# Altium PCB GEM_AFE_128.PcbDoc (part 2 of 18) (continued)
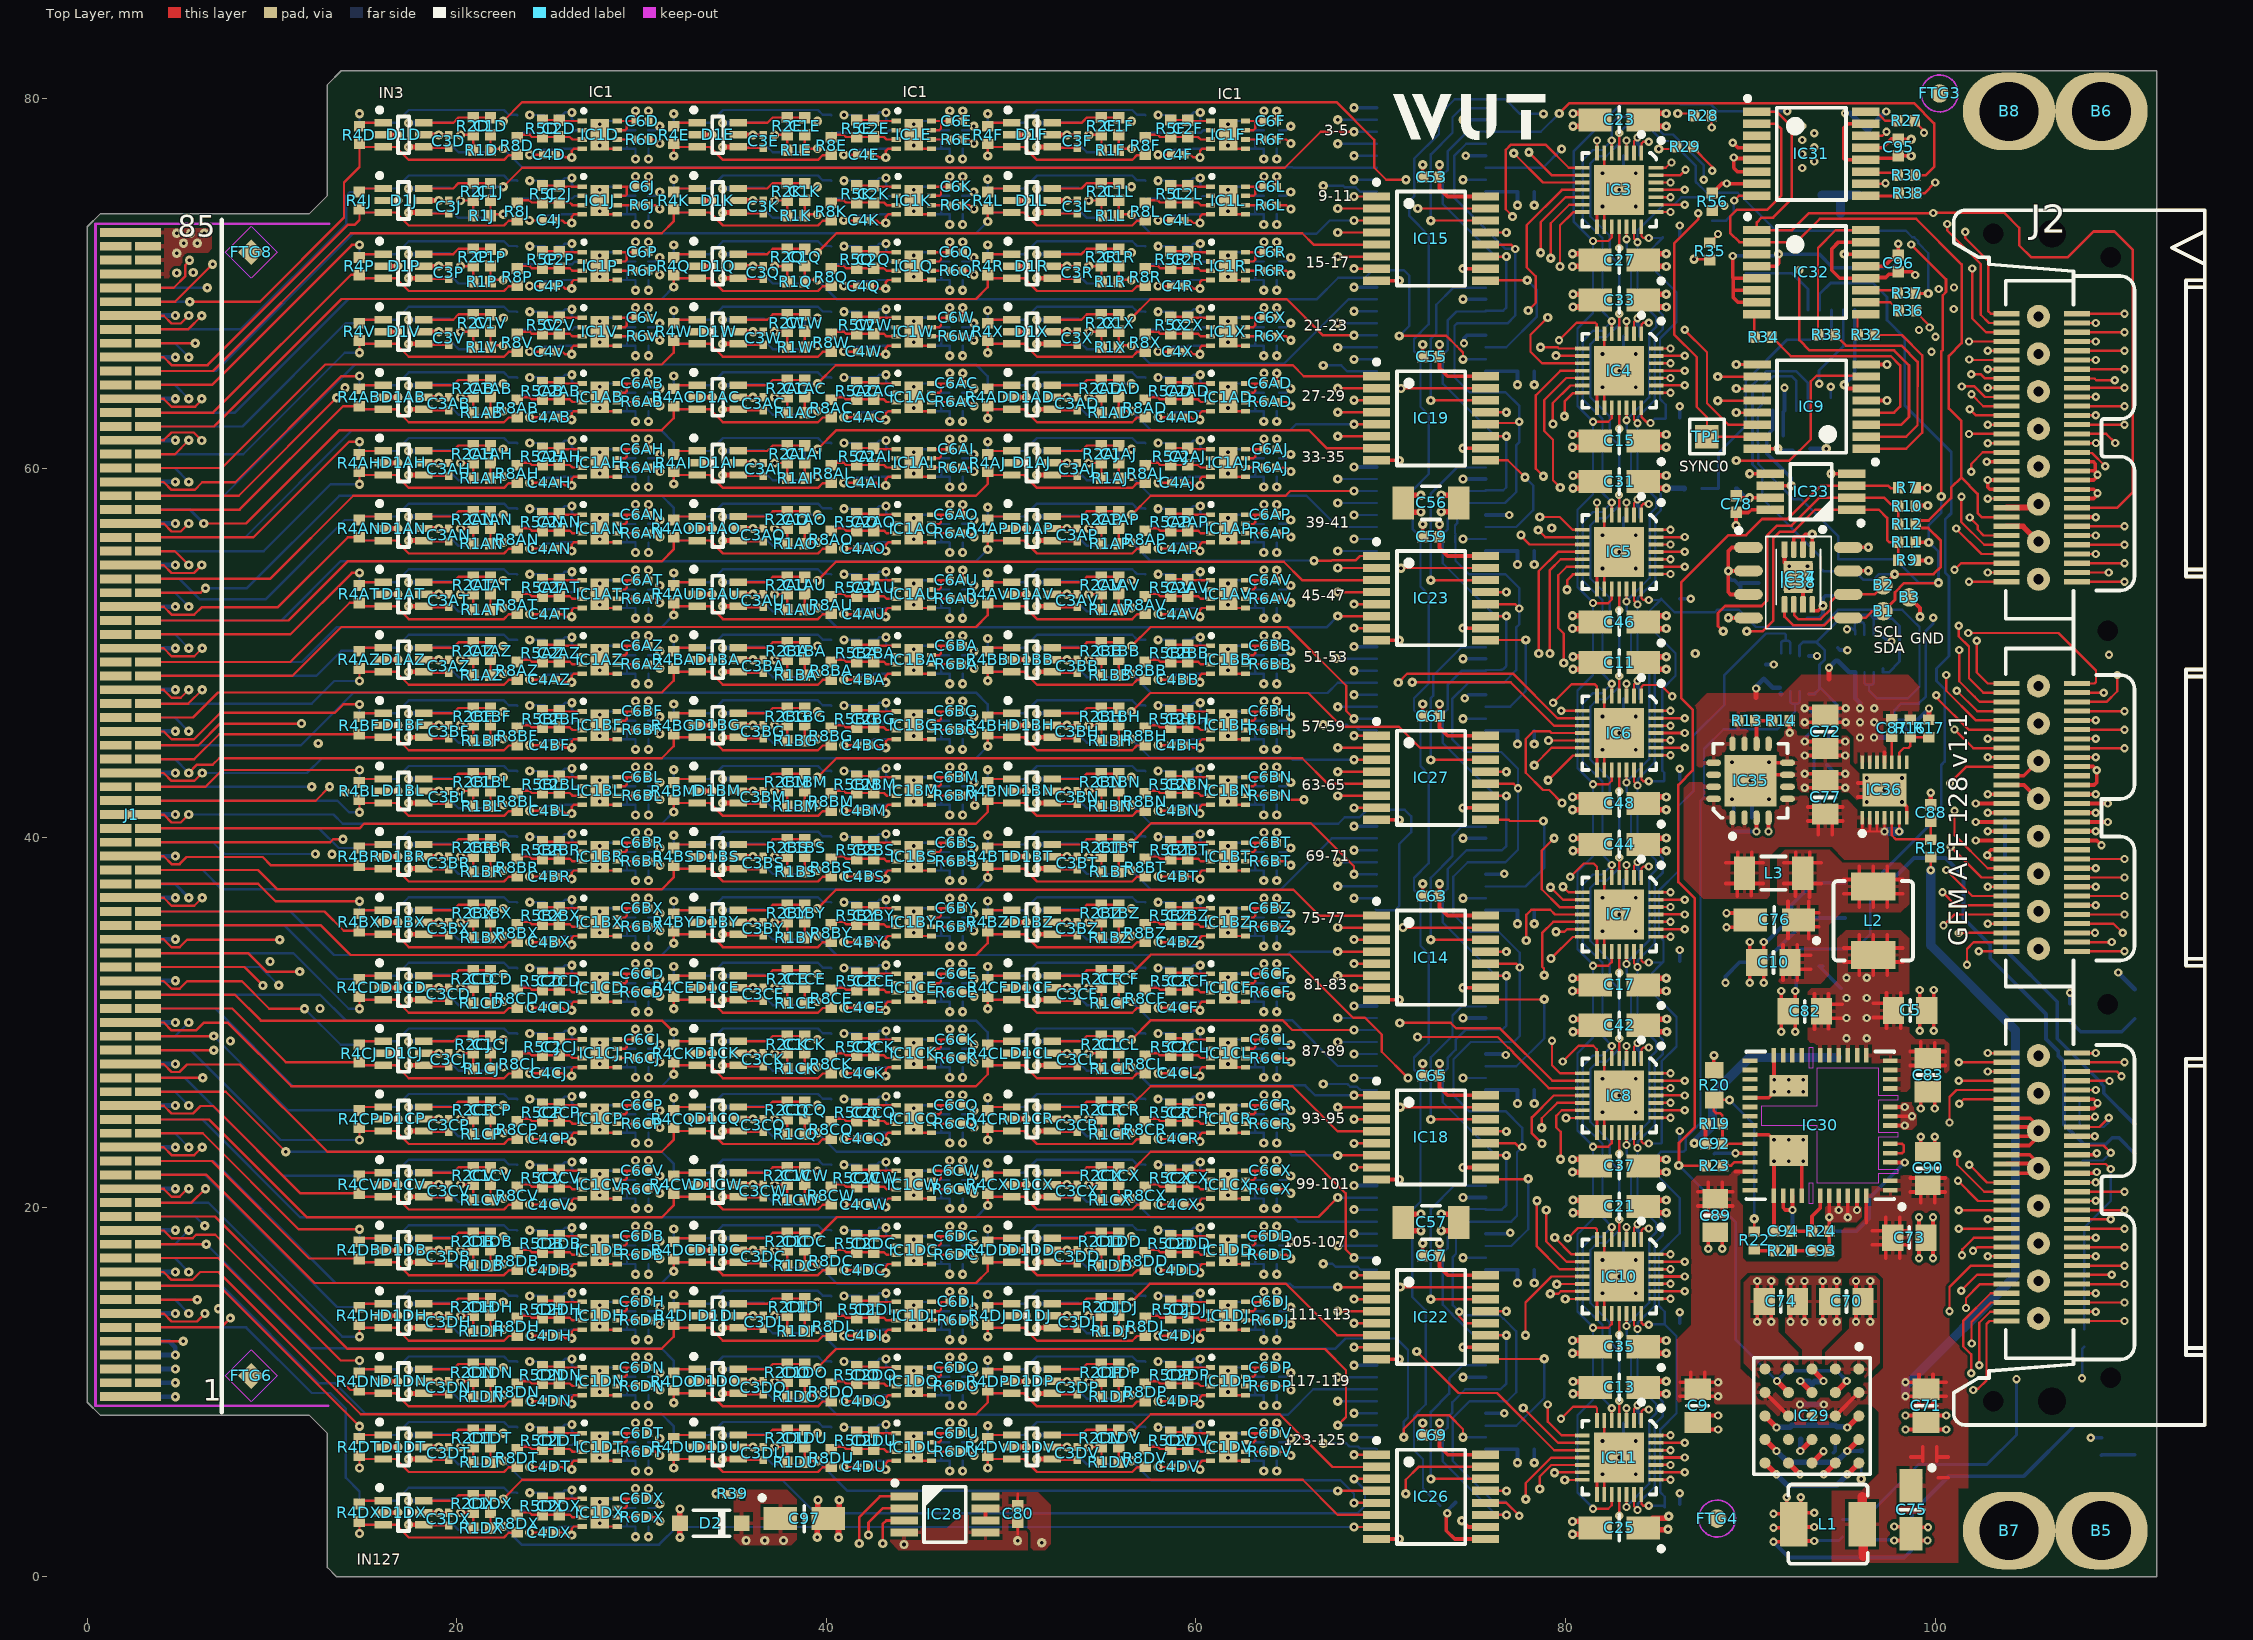
[diagram p0: Top Layer view]
## Components (designator, comment, footprint, x,y, rotation, side; value= is the part's Value field where it differs from the comment) (continued)
C2G "1pF" CAPC1005X55N 25.543,74.135 r270 bottom (schematic designator C2)
C2H "1pF" CAPC1005X55N 42.543,74.135 r270 bottom (schematic designator C2)
C2I "1pF" CAPC1005X55N 59.543,74.135 r270 bottom (schematic designator C2)
C2J "1pF" CAPC1005X55N 25.553,74.815 r90 top (schematic designator C2)
C2K "1pF" CAPC1005X55N 42.553,74.815 r90 top (schematic designator C2)
C2L "1pF" CAPC1005X55N 59.553,74.815 r90 top (schematic designator C2)
C2M "1pF" CAPC1005X55N 25.543,70.585 r270 bottom (schematic designator C2)
C2N "1pF" CAPC1005X55N 42.543,70.585 r270 bottom (schematic designator C2)
C2O "1pF" CAPC1005X55N 59.543,70.585 r270 bottom (schematic designator C2)
C2P "1pF" CAPC1005X55N 25.553,71.265 r90 top (schematic designator C2)
C2Q "1pF" CAPC1005X55N 42.553,71.265 r90 top (schematic designator C2)
C2R "1pF" CAPC1005X55N 59.553,71.265 r90 top (schematic designator C2)
C2S "1pF" CAPC1005X55N 25.543,67.035 r270 bottom (schematic designator C2)
C2T "1pF" CAPC1005X55N 42.543,67.035 r270 bottom (schematic designator C2)
C2U "1pF" CAPC1005X55N 59.543,67.035 r270 bottom (schematic designator C2)
C2V "1pF" CAPC1005X55N 25.553,67.715 r90 top (schematic designator C2)
C2W "1pF" CAPC1005X55N 42.553,67.715 r90 top (schematic designator C2)
C2X "1pF" CAPC1005X55N 59.553,67.715 r90 top (schematic designator C2)
C2Y "1pF" CAPC1005X55N 25.543,63.485 r270 bottom (schematic designator C2)
C2Z "1pF" CAPC1005X55N 42.543,63.485 r270 bottom (schematic designator C2)
C3A "100nF" CAPC0603X33N#1 19.575,78.375 r270 bottom (schematic designator C3)
C3AA "100nF" CAPC0603X33N#1 53.575,64.175 r270 bottom (schematic designator C3)
C3AB "100nF" CAPC0603X33N#1 19.575,63.475 r90 top (schematic designator C3)
C3AC "100nF" CAPC0603X33N#1 36.575,63.475 r90 top (schematic designator C3)
C3AD "100nF" CAPC0603X33N#1 53.575,63.475 r90 top (schematic designator C3)
C3AE "100nF" CAPC0603X33N#1 19.575,60.625 r270 bottom (schematic designator C3)
C3AF "100nF" CAPC0603X33N#1 36.575,60.625 r270 bottom (schematic designator C3)
C3AG "100nF" CAPC0603X33N#1 53.575,60.625 r270 bottom (schematic designator C3)
C3AH "100nF" CAPC0603X33N#1 19.575,59.925 r90 top (schematic designator C3)
C3AI "100nF" CAPC0603X33N#1 36.575,59.925 r90 top (schematic designator C3)
C3AJ "100nF" CAPC0603X33N#1 53.575,59.925 r90 top (schematic designator C3)
C3AK "100nF" CAPC0603X33N#1 19.575,57.075 r270 bottom (schematic designator C3)
C3AL "100nF" CAPC0603X33N#1 36.575,57.075 r270 bottom (schematic designator C3)
C3AM "100nF" CAPC0603X33N#1 53.575,57.075 r270 bottom (schematic designator C3)
C3AN "100nF" CAPC0603X33N#1 19.575,56.375 r90 top (schematic designator C3)
C3AO "100nF" CAPC0603X33N#1 36.575,56.375 r90 top (schematic designator C3)
C3AP "100nF" CAPC0603X33N#1 53.575,56.375 r90 top (schematic designator C3)
C3AQ "100nF" CAPC0603X33N#1 19.575,53.525 r270 bottom (schematic designator C3)
C3AR "100nF" CAPC0603X33N#1 36.575,53.525 r270 bottom (schematic designator C3)
C3AS "100nF" CAPC0603X33N#1 53.575,53.525 r270 bottom (schematic designator C3)
C3AT "100nF" CAPC0603X33N#1 19.575,52.825 r90 top (schematic designator C3)
C3AU "100nF" CAPC0603X33N#1 36.575,52.825 r90 top (schematic designator C3)
C3AV "100nF" CAPC0603X33N#1 53.575,52.825 r90 top (schematic designator C3)
C3AW "100nF" CAPC0603X33N#1 19.575,49.975 r270 bottom (schematic designator C3)
C3AX "100nF" CAPC0603X33N#1 36.575,49.975 r270 bottom (schematic designator C3)
C3AY "100nF" CAPC0603X33N#1 53.575,49.975 r270 bottom (schematic designator C3)
C3AZ "100nF" CAPC0603X33N#1 19.575,49.275 r90 top (schematic designator C3)
C3B "100nF" CAPC0603X33N#1 36.575,78.375 r270 bottom (schematic designator C3)
C3BA "100nF" CAPC0603X33N#1 36.575,49.275 r90 top (schematic designator C3)
C3BB "100nF" CAPC0603X33N#1 53.575,49.275 r90 top (schematic designator C3)
C3BC "100nF" CAPC0603X33N#1 19.575,46.425 r270 bottom (schematic designator C3)
C3BD "100nF" CAPC0603X33N#1 36.575,46.425 r270 bottom (schematic designator C3)
C3BE "100nF" CAPC0603X33N#1 53.575,46.425 r270 bottom (schematic designator C3)
C3BF "100nF" CAPC0603X33N#1 19.575,45.725 r90 top (schematic designator C3)
C3BG "100nF" CAPC0603X33N#1 36.575,45.725 r90 top (schematic designator C3)
C3BH "100nF" CAPC0603X33N#1 53.575,45.725 r90 top (schematic designator C3)
C3BI "100nF" CAPC0603X33N#1 19.575,42.875 r270 bottom (schematic designator C3)
C3BJ "100nF" CAPC0603X33N#1 36.575,42.875 r270 bottom (schematic designator C3)
C3BK "100nF" CAPC0603X33N#1 53.575,42.875 r270 bottom (schematic designator C3)
C3BL "100nF" CAPC0603X33N#1 19.575,42.175 r90 top (schematic designator C3)
C3BM "100nF" CAPC0603X33N#1 36.575,42.175 r90 top (schematic designator C3)
C3BN "100nF" CAPC0603X33N#1 53.575,42.175 r90 top (schematic designator C3)
C3BO "100nF" CAPC0603X33N#1 19.575,39.325 r270 bottom (schematic designator C3)
C3BP "100nF" CAPC0603X33N#1 36.575,39.325 r270 bottom (schematic designator C3)
C3BQ "100nF" CAPC0603X33N#1 53.575,39.325 r270 bottom (schematic designator C3)
C3BR "100nF" CAPC0603X33N#1 19.575,38.625 r90 top (schematic designator C3)
C3BS "100nF" CAPC0603X33N#1 36.575,38.625 r90 top (schematic designator C3)
C3BT "100nF" CAPC0603X33N#1 53.575,38.625 r90 top (schematic designator C3)
C3BU "100nF" CAPC0603X33N#1 19.575,35.775 r270 bottom (schematic designator C3)
C3BV "100nF" CAPC0603X33N#1 36.575,35.775 r270 bottom (schematic designator C3)
C3BW "100nF" CAPC0603X33N#1 53.575,35.775 r270 bottom (schematic designator C3)
C3BX "100nF" CAPC0603X33N#1 19.575,35.075 r90 top (schematic designator C3)
C3BY "100nF" CAPC0603X33N#1 36.575,35.075 r90 top (schematic designator C3)
C3BZ "100nF" CAPC0603X33N#1 53.575,35.075 r90 top (schematic designator C3)
C3C "100nF" CAPC0603X33N#1 53.575,78.375 r270 bottom (schematic designator C3)
C3CA "100nF" CAPC0603X33N#1 19.575,32.225 r270 bottom (schematic designator C3)
C3CB "100nF" CAPC0603X33N#1 36.575,32.225 r270 bottom (schematic designator C3)
C3CC "100nF" CAPC0603X33N#1 53.575,32.225 r270 bottom (schematic designator C3)
C3CD "100nF" CAPC0603X33N#1 19.575,31.525 r90 top (schematic designator C3)
C3CE "100nF" CAPC0603X33N#1 36.575,31.525 r90 top (schematic designator C3)
C3CF "100nF" CAPC0603X33N#1 53.575,31.525 r90 top (schematic designator C3)
C3CG "100nF" CAPC0603X33N#1 19.575,28.675 r270 bottom (schematic designator C3)
C3CH "100nF" CAPC0603X33N#1 36.575,28.675 r270 bottom (schematic designator C3)
C3CI "100nF" CAPC0603X33N#1 53.575,28.675 r270 bottom (schematic designator C3)
C3CJ "100nF" CAPC0603X33N#1 19.575,27.975 r90 top (schematic designator C3)
C3CK "100nF" CAPC0603X33N#1 36.575,27.975 r90 top (schematic designator C3)
C3CL "100nF" CAPC0603X33N#1 53.575,27.975 r90 top (schematic designator C3)
C3CM "100nF" CAPC0603X33N#1 19.575,25.125 r270 bottom (schematic designator C3)
C3CN "100nF" CAPC0603X33N#1 36.575,25.125 r270 bottom (schematic designator C3)
C3CO "100nF" CAPC0603X33N#1 53.575,25.125 r270 bottom (schematic designator C3)
C3CP "100nF" CAPC0603X33N#1 19.575,24.425 r90 top (schematic designator C3)
C3CQ "100nF" CAPC0603X33N#1 36.575,24.425 r90 top (schematic designator C3)
C3CR "100nF" CAPC0603X33N#1 53.575,24.425 r90 top (schematic designator C3)
C3CS "100nF" CAPC0603X33N#1 19.575,21.575 r270 bottom (schematic designator C3)
C3CT "100nF" CAPC0603X33N#1 36.575,21.575 r270 bottom (schematic designator C3)
C3CU "100nF" CAPC0603X33N#1 53.575,21.575 r270 bottom (schematic designator C3)
C3CV "100nF" CAPC0603X33N#1 19.575,20.875 r90 top (schematic designator C3)
C3CW "100nF" CAPC0603X33N#1 36.575,20.875 r90 top (schematic designator C3)
C3CX "100nF" CAPC0603X33N#1 53.575,20.875 r90 top (schematic designator C3)
C3CY "100nF" CAPC0603X33N#1 19.575,18.025 r270 bottom (schematic designator C3)
C3CZ "100nF" CAPC0603X33N#1 36.575,18.025 r270 bottom (schematic designator C3)
C3D "100nF" CAPC0603X33N#1 19.575,77.675 r90 top (schematic designator C3)
C3DA "100nF" CAPC0603X33N#1 53.575,18.025 r270 bottom (schematic designator C3)
C3DB "100nF" CAPC0603X33N#1 19.575,17.325 r90 top (schematic designator C3)
C3DC "100nF" CAPC0603X33N#1 36.575,17.325 r90 top (schematic designator C3)
C3DD "100nF" CAPC0603X33N#1 53.575,17.325 r90 top (schematic designator C3)
C3DE "100nF" CAPC0603X33N#1 19.575,14.475 r270 bottom (schematic designator C3)
C3DF "100nF" CAPC0603X33N#1 36.575,14.475 r270 bottom (schematic designator C3)
C3DG "100nF" CAPC0603X33N#1 53.575,14.475 r270 bottom (schematic designator C3)
C3DH "100nF" CAPC0603X33N#1 19.575,13.775 r90 top (schematic designator C3)
C3DI "100nF" CAPC0603X33N#1 36.575,13.775 r90 top (schematic designator C3)
C3DJ "100nF" CAPC0603X33N#1 53.575,13.775 r90 top (schematic designator C3)
C3DK "100nF" CAPC0603X33N#1 19.575,10.925 r270 bottom (schematic designator C3)
C3DL "100nF" CAPC0603X33N#1 36.575,10.925 r270 bottom (schematic designator C3)
C3DM "100nF" CAPC0603X33N#1 53.575,10.925 r270 bottom (schematic designator C3)
C3DN "100nF" CAPC0603X33N#1 19.575,10.225 r90 top (schematic designator C3)
C3DO "100nF" CAPC0603X33N#1 36.575,10.225 r90 top (schematic designator C3)
C3DP "100nF" CAPC0603X33N#1 53.575,10.225 r90 top (schematic designator C3)
C3DQ "100nF" CAPC0603X33N#1 19.575,7.375 r270 bottom (schematic designator C3)
C3DR "100nF" CAPC0603X33N#1 36.575,7.375 r270 bottom (schematic designator C3)
C3DS "100nF" CAPC0603X33N#1 53.575,7.375 r270 bottom (schematic designator C3)
C3DT "100nF" CAPC0603X33N#1 19.575,6.675 r90 top (schematic designator C3)
C3DU "100nF" CAPC0603X33N#1 36.575,6.675 r90 top (schematic designator C3)
C3DV "100nF" CAPC0603X33N#1 53.575,6.675 r90 top (schematic designator C3)
C3DW "100nF" CAPC0603X33N#1 19.575,3.825 r270 bottom (schematic designator C3)
C3DX "100nF" CAPC0603X33N#1 19.575,3.125 r90 top (schematic designator C3)
C3E "100nF" CAPC0603X33N#1 36.575,77.675 r90 top (schematic designator C3)
C3F "100nF" CAPC0603X33N#1 53.575,77.675 r90 top (schematic designator C3)
C3G "100nF" CAPC0603X33N#1 19.575,74.825 r270 bottom (schematic designator C3)
C3H "100nF" CAPC0603X33N#1 36.575,74.825 r270 bottom (schematic designator C3)
C3I "100nF" CAPC0603X33N#1 53.575,74.825 r270 bottom (schematic designator C3)
C3J "100nF" CAPC0603X33N#1 19.575,74.125 r90 top (schematic designator C3)
C3K "100nF" CAPC0603X33N#1 36.575,74.125 r90 top (schematic designator C3)
C3L "100nF" CAPC0603X33N#1 53.575,74.125 r90 top (schematic designator C3)
C3M "100nF" CAPC0603X33N#1 19.575,71.275 r270 bottom (schematic designator C3)
C3N "100nF" CAPC0603X33N#1 36.575,71.275 r270 bottom (schematic designator C3)
C3O "100nF" CAPC0603X33N#1 53.575,71.275 r270 bottom (schematic designator C3)
C3P "100nF" CAPC0603X33N#1 19.575,70.575 r90 top (schematic designator C3)
C3Q "100nF" CAPC0603X33N#1 36.575,70.575 r90 top (schematic designator C3)
C3R "100nF" CAPC0603X33N#1 53.575,70.575 r90 top (schematic designator C3)
C3S "100nF" CAPC0603X33N#1 19.575,67.725 r270 bottom (schematic designator C3)
C3T "100nF" CAPC0603X33N#1 36.575,67.725 r270 bottom (schematic designator C3)
C3U "100nF" CAPC0603X33N#1 53.575,67.725 r270 bottom (schematic designator C3)
C3V "100nF" CAPC0603X33N#1 19.575,67.025 r90 top (schematic designator C3)
C3W "100nF" CAPC0603X33N#1 36.575,67.025 r90 top (schematic designator C3)
C3X "100nF" CAPC0603X33N#1 53.575,67.025 r90 top (schematic designator C3)
C3Y "100nF" CAPC0603X33N#1 19.575,64.175 r270 bottom (schematic designator C3)
C3Z "100nF" CAPC0603X33N#1 36.575,64.175 r270 bottom (schematic designator C3)
C4A "100nF" CAPC0603X33N#1 25.014,79.105 r0 bottom (schematic designator C4)
C4AA "100nF" CAPC0603X33N#1 59.014,64.905 r0 bottom (schematic designator C4)
C4AB "100nF" CAPC0603X33N#1 25.014,62.745 r0 top (schematic designator C4)
C4AC "100nF" CAPC0603X33N#1 42.014,62.745 r0 top (schematic designator C4)
C4AD "100nF" CAPC0603X33N#1 59.014,62.745 r0 top (schematic designator C4)
C4AE "100nF" CAPC0603X33N#1 25.014,61.355 r0 bottom (schematic designator C4)
C4AF "100nF" CAPC0603X33N#1 42.014,61.355 r0 bottom (schematic designator C4)
C4AG "100nF" CAPC0603X33N#1 59.014,61.355 r0 bottom (schematic designator C4)
C4AH "100nF" CAPC0603X33N#1 25.014,59.195 r0 top (schematic designator C4)
C4AI "100nF" CAPC0603X33N#1 42.014,59.195 r0 top (schematic designator C4)
C4AJ "100nF" CAPC0603X33N#1 59.014,59.195 r0 top (schematic designator C4)
C4AK "100nF" CAPC0603X33N#1 25.014,57.805 r0 bottom (schematic designator C4)
C4AL "100nF" CAPC0603X33N#1 42.014,57.805 r0 bottom (schematic designator C4)
C4AM "100nF" CAPC0603X33N#1 59.014,57.805 r0 bottom (schematic designator C4)
C4AN "100nF" CAPC0603X33N#1 25.014,55.645 r0 top (schematic designator C4)
C4AO "100nF" CAPC0603X33N#1 42.014,55.645 r0 top (schematic designator C4)
C4AP "100nF" CAPC0603X33N#1 59.014,55.645 r0 top (schematic designator C4)
C4AQ "100nF" CAPC0603X33N#1 25.014,54.255 r0 bottom (schematic designator C4)
C4AR "100nF" CAPC0603X33N#1 42.014,54.255 r0 bottom (schematic designator C4)
C4AS "100nF" CAPC0603X33N#1 59.014,54.255 r0 bottom (schematic designator C4)
C4AT "100nF" CAPC0603X33N#1 25.014,52.095 r0 top (schematic designator C4)
C4AU "100nF" CAPC0603X33N#1 42.014,52.095 r0 top (schematic designator C4)
C4AV "100nF" CAPC0603X33N#1 59.014,52.095 r0 top (schematic designator C4)
C4AW "100nF" CAPC0603X33N#1 25.014,50.705 r0 bottom (schematic designator C4)
C4AX "100nF" CAPC0603X33N#1 42.014,50.705 r0 bottom (schematic designator C4)
C4AY "100nF" CAPC0603X33N#1 59.014,50.705 r0 bottom (schematic designator C4)
C4AZ "100nF" CAPC0603X33N#1 25.014,48.545 r0 top (schematic designator C4)
C4B "100nF" CAPC0603X33N#1 42.014,79.105 r0 bottom (schematic designator C4)
C4BA "100nF" CAPC0603X33N#1 42.014,48.545 r0 top (schematic designator C4)
C4BB "100nF" CAPC0603X33N#1 59.014,48.545 r0 top (schematic designator C4)
C4BC "100nF" CAPC0603X33N#1 25.014,47.155 r0 bottom (schematic designator C4)
C4BD "100nF" CAPC0603X33N#1 42.014,47.155 r0 bottom (schematic designator C4)
C4BE "100nF" CAPC0603X33N#1 59.014,47.155 r0 bottom (schematic designator C4)
C4BF "100nF" CAPC0603X33N#1 25.014,44.995 r0 top (schematic designator C4)
C4BG "100nF" CAPC0603X33N#1 42.014,44.995 r0 top (schematic designator C4)
C4BH "100nF" CAPC0603X33N#1 59.014,44.995 r0 top (schematic designator C4)
C4BI "100nF" CAPC0603X33N#1 25.014,43.605 r0 bottom (schematic designator C4)
C4BJ "100nF" CAPC0603X33N#1 42.014,43.605 r0 bottom (schematic designator C4)
C4BK "100nF" CAPC0603X33N#1 59.014,43.605 r0 bottom (schematic designator C4)
C4BL "100nF" CAPC0603X33N#1 25.014,41.445 r0 top (schematic designator C4)
C4BM "100nF" CAPC0603X33N#1 42.014,41.445 r0 top (schematic designator C4)
C4BN "100nF" CAPC0603X33N#1 59.014,41.445 r0 top (schematic designator C4)
C4BO "100nF" CAPC0603X33N#1 25.014,40.055 r0 bottom (schematic designator C4)
C4BP "100nF" CAPC0603X33N#1 42.014,40.055 r0 bottom (schematic designator C4)
C4BQ "100nF" CAPC0603X33N#1 59.014,40.055 r0 bottom (schematic designator C4)
C4BR "100nF" CAPC0603X33N#1 25.014,37.895 r0 top (schematic designator C4)
C4BS "100nF" CAPC0603X33N#1 42.014,37.895 r0 top (schematic designator C4)
C4BT "100nF" CAPC0603X33N#1 59.014,37.895 r0 top (schematic designator C4)
C4BU "100nF" CAPC0603X33N#1 25.014,36.505 r0 bottom (schematic designator C4)
C4BV "100nF" CAPC0603X33N#1 42.014,36.505 r0 bottom (schematic designator C4)
C4BW "100nF" CAPC0603X33N#1 59.014,36.505 r0 bottom (schematic designator C4)
C4BX "100nF" CAPC0603X33N#1 25.014,34.345 r0 top (schematic designator C4)
C4BY "100nF" CAPC0603X33N#1 42.014,34.345 r0 top (schematic designator C4)
C4BZ "100nF" CAPC0603X33N#1 59.014,34.345 r0 top (schematic designator C4)
C4C "100nF" CAPC0603X33N#1 59.014,79.105 r0 bottom (schematic designator C4)
C4CA "100nF" CAPC0603X33N#1 25.014,32.955 r0 bottom (schematic designator C4)
C4CB "100nF" CAPC0603X33N#1 42.014,32.955 r0 bottom (schematic designator C4)
C4CC "100nF" CAPC0603X33N#1 59.014,32.955 r0 bottom (schematic designator C4)
C4CD "100nF" CAPC0603X33N#1 25.014,30.795 r0 top (schematic designator C4)
C4CE "100nF" CAPC0603X33N#1 42.014,30.795 r0 top (schematic designator C4)
C4CF "100nF" CAPC0603X33N#1 59.014,30.795 r0 top (schematic designator C4)
C4CG "100nF" CAPC0603X33N#1 25.014,29.405 r0 bottom (schematic designator C4)
C4CH "100nF" CAPC0603X33N#1 42.014,29.405 r0 bottom (schematic designator C4)
C4CI "100nF" CAPC0603X33N#1 59.014,29.405 r0 bottom (schematic designator C4)
C4CJ "100nF" CAPC0603X33N#1 25.014,27.245 r0 top (schematic designator C4)
C4CK "100nF" CAPC0603X33N#1 42.014,27.245 r0 top (schematic designator C4)
C4CL "100nF" CAPC0603X33N#1 59.014,27.245 r0 top (schematic designator C4)
C4CM "100nF" CAPC0603X33N#1 25.014,25.855 r0 bottom (schematic designator C4)
C4CN "100nF" CAPC0603X33N#1 42.014,25.855 r0 bottom (schematic designator C4)
C4CO "100nF" CAPC0603X33N#1 59.014,25.855 r0 bottom (schematic designator C4)
C4CP "100nF" CAPC0603X33N#1 25.014,23.695 r0 top (schematic designator C4)
C4CQ "100nF" CAPC0603X33N#1 42.014,23.695 r0 top (schematic designator C4)
C4CR "100nF" CAPC0603X33N#1 59.014,23.695 r0 top (schematic designator C4)
C4CS "100nF" CAPC0603X33N#1 25.014,22.305 r0 bottom (schematic designator C4)
C4CT "100nF" CAPC0603X33N#1 42.014,22.305 r0 bottom (schematic designator C4)
C4CU "100nF" CAPC0603X33N#1 59.014,22.305 r0 bottom (schematic designator C4)
C4CV "100nF" CAPC0603X33N#1 25.014,20.145 r0 top (schematic designator C4)
C4CW "100nF" CAPC0603X33N#1 42.014,20.145 r0 top (schematic designator C4)
C4CX "100nF" CAPC0603X33N#1 59.014,20.145 r0 top (schematic designator C4)
C4CY "100nF" CAPC0603X33N#1 25.014,18.755 r0 bottom (schematic designator C4)
C4CZ "100nF" CAPC0603X33N#1 42.014,18.755 r0 bottom (schematic designator C4)
C4D "100nF" CAPC0603X33N#1 25.014,76.945 r0 top (schematic designator C4)
C4DA "100nF" CAPC0603X33N#1 59.014,18.755 r0 bottom (schematic designator C4)
C4DB "100nF" CAPC0603X33N#1 25.014,16.595 r0 top (schematic designator C4)
C4DC "100nF" CAPC0603X33N#1 42.014,16.595 r0 top (schematic designator C4)
C4DD "100nF" CAPC0603X33N#1 59.014,16.595 r0 top (schematic designator C4)
C4DE "100nF" CAPC0603X33N#1 25.014,15.205 r0 bottom (schematic designator C4)
C4DF "100nF" CAPC0603X33N#1 42.014,15.205 r0 bottom (schematic designator C4)
C4DG "100nF" CAPC0603X33N#1 59.014,15.205 r0 bottom (schematic designator C4)
C4DH "100nF" CAPC0603X33N#1 25.014,13.045 r0 top (schematic designator C4)
C4DI "100nF" CAPC0603X33N#1 42.014,13.045 r0 top (schematic designator C4)
C4DJ "100nF" CAPC0603X33N#1 59.014,13.045 r0 top (schematic designator C4)
C4DK "100nF" CAPC0603X33N#1 25.014,11.655 r0 bottom (schematic designator C4)
C4DL "100nF" CAPC0603X33N#1 42.014,11.655 r0 bottom (schematic designator C4)
C4DM "100nF" CAPC0603X33N#1 59.014,11.655 r0 bottom (schematic designator C4)
C4DN "100nF" CAPC0603X33N#1 25.014,9.495 r0 top (schematic designator C4)
C4DO "100nF" CAPC0603X33N#1 42.014,9.495 r0 top (schematic designator C4)
C4DP "100nF" CAPC0603X33N#1 59.014,9.495 r0 top (schematic designator C4)
C4DQ "100nF" CAPC0603X33N#1 25.014,8.105 r0 bottom (schematic designator C4)
C4DR "100nF" CAPC0603X33N#1 42.014,8.105 r0 bottom (schematic designator C4)
C4DS "100nF" CAPC0603X33N#1 59.014,8.105 r0 bottom (schematic designator C4)
C4DT "100nF" CAPC0603X33N#1 25.014,5.945 r0 top (schematic designator C4)
C4DU "100nF" CAPC0603X33N#1 42.014,5.945 r0 top (schematic designator C4)
C4DV "100nF" CAPC0603X33N#1 59.014,5.945 r0 top (schematic designator C4)
C4DW "100nF" CAPC0603X33N#1 25.014,4.555 r0 bottom (schematic designator C4)
C4DX "100nF" CAPC0603X33N#1 25.014,2.395 r0 top (schematic designator C4)
C4E "100nF" CAPC0603X33N#1 42.014,76.945 r0 top (schematic designator C4)
C4F "100nF" CAPC0603X33N#1 59.014,76.945 r0 top (schematic designator C4)
C4G "100nF" CAPC0603X33N#1 25.014,75.555 r0 bottom (schematic designator C4)
C4H "100nF" CAPC0603X33N#1 42.014,75.555 r0 bottom (schematic designator C4)
C4I "100nF" CAPC0603X33N#1 59.014,75.555 r0 bottom (schematic designator C4)
C4J "100nF" CAPC0603X33N#1 25.014,73.395 r0 top (schematic designator C4)
C4K "100nF" CAPC0603X33N#1 42.014,73.395 r0 top (schematic designator C4)
C4L "100nF" CAPC0603X33N#1 59.014,73.395 r0 top (schematic designator C4)
C4M "100nF" CAPC0603X33N#1 25.014,72.005 r0 bottom (schematic designator C4)
C4N "100nF" CAPC0603X33N#1 42.014,72.005 r0 bottom (schematic designator C4)
C4O "100nF" CAPC0603X33N#1 59.014,72.005 r0 bottom (schematic designator C4)
C4P "100nF" CAPC0603X33N#1 25.014,69.845 r0 top (schematic designator C4)
C4Q "100nF" CAPC0603X33N#1 42.014,69.845 r0 top (schematic designator C4)
C4R "100nF" CAPC0603X33N#1 59.014,69.845 r0 top (schematic designator C4)
C4S "100nF" CAPC0603X33N#1 25.014,68.455 r0 bottom (schematic designator C4)
C4T "100nF" CAPC0603X33N#1 42.014,68.455 r0 bottom (schematic designator C4)
C4U "100nF" CAPC0603X33N#1 59.014,68.455 r0 bottom (schematic designator C4)
C4V "100nF" CAPC0603X33N#1 25.014,66.295 r0 top (schematic designator C4)
C4W "100nF" CAPC0603X33N#1 42.014,66.295 r0 top (schematic designator C4)
C4X "100nF" CAPC0603X33N#1 59.014,66.295 r0 top (schematic designator C4)
C4Y "100nF" CAPC0603X33N#1 25.014,64.905 r0 bottom (schematic designator C4)
C4Z "100nF" CAPC0603X33N#1 42.014,64.905 r0 bottom (schematic designator C4)
C5 "22uF" CAPC2012X145N 98.65,30.65 r180 top
C6A "100nF" CAPC0603X33N#1 30.025,77.275 r180 bottom (schematic designator C6)
C6AA "100nF" CAPC0603X33N#1 64.025,63.075 r180 bottom (schematic designator C6)
C6AB "100nF" CAPC0603X33N#1 30.025,64.575 r180 top (schematic designator C6)
C6AC "100nF" CAPC0603X33N#1 47.025,64.575 r180 top (schematic designator C6)
C6AD "100nF" CAPC0603X33N#1 64.025,64.575 r180 top (schematic designator C6)
C6AE "100nF" CAPC0603X33N#1 30.025,59.525 r180 bottom (schematic designator C6)
C6AF "100nF" CAPC0603X33N#1 47.025,59.525 r180 bottom (schematic designator C6)
C6AG "100nF" CAPC0603X33N#1 64.025,59.525 r180 bottom (schematic designator C6)
C6AH "100nF" CAPC0603X33N#1 30.025,61.025 r180 top (schematic designator C6)
C6AI "100nF" CAPC0603X33N#1 47.025,61.025 r180 top (schematic designator C6)
C6AJ "100nF" CAPC0603X33N#1 64.025,61.025 r180 top (schematic designator C6)
C6AK "100nF" CAPC0603X33N#1 30.025,55.975 r180 bottom (schematic designator C6)
C6AL "100nF" CAPC0603X33N#1 47.025,55.975 r180 bottom (schematic designator C6)
C6AM "100nF" CAPC0603X33N#1 64.025,55.975 r180 bottom (schematic designator C6)
C6AN "100nF" CAPC0603X33N#1 30.025,57.475 r180 top (schematic designator C6)
C6AO "100nF" CAPC0603X33N#1 47.025,57.475 r180 top (schematic designator C6)
C6AP "100nF" CAPC0603X33N#1 64.025,57.475 r180 top (schematic designator C6)
C6AQ "100nF" CAPC0603X33N#1 30.025,52.425 r180 bottom (schematic designator C6)
C6AR "100nF" CAPC0603X33N#1 47.025,52.425 r180 bottom (schematic designator C6)
C6AS "100nF" CAPC0603X33N#1 64.025,52.425 r180 bottom (schematic designator C6)
C6AT "100nF" CAPC0603X33N#1 30.025,53.925 r180 top (schematic designator C6)
C6AU "100nF" CAPC0603X33N#1 47.025,53.925 r180 top (schematic designator C6)
C6AV "100nF" CAPC0603X33N#1 64.025,53.925 r180 top (schematic designator C6)
C6AW "100nF" CAPC0603X33N#1 30.025,48.875 r180 bottom (schematic designator C6)
C6AX "100nF" CAPC0603X33N#1 47.025,48.875 r180 bottom (schematic designator C6)
C6AY "100nF" CAPC0603X33N#1 64.025,48.875 r180 bottom (schematic designator C6)
C6AZ "100nF" CAPC0603X33N#1 30.025,50.375 r180 top (schematic designator C6)
C6B "100nF" CAPC0603X33N#1 47.025,77.275 r180 bottom (schematic designator C6)
C6BA "100nF" CAPC0603X33N#1 47.025,50.375 r180 top (schematic designator C6)
C6BB "100nF" CAPC0603X33N#1 64.025,50.375 r180 top (schematic designator C6)
C6BC "100nF" CAPC0603X33N#1 30.025,45.325 r180 bottom (schematic designator C6)
C6BD "100nF" CAPC0603X33N#1 47.025,45.325 r180 bottom (schematic designator C6)
C6BE "100nF" CAPC0603X33N#1 64.025,45.325 r180 bottom (schematic designator C6)
C6BF "100nF" CAPC0603X33N#1 30.025,46.825 r180 top (schematic designator C6)
C6BG "100nF" CAPC0603X33N#1 47.025,46.825 r180 top (schematic designator C6)
C6BH "100nF" CAPC0603X33N#1 64.025,46.825 r180 top (schematic designator C6)
C6BI "100nF" CAPC0603X33N#1 30.025,41.775 r180 bottom (schematic designator C6)
C6BJ "100nF" CAPC0603X33N#1 47.025,41.775 r180 bottom (schematic designator C6)
C6BK "100nF" CAPC0603X33N#1 64.025,41.775 r180 bottom (schematic designator C6)
C6BL "100nF" CAPC0603X33N#1 30.025,43.275 r180 top (schematic designator C6)
C6BM "100nF" CAPC0603X33N#1 47.025,43.275 r180 top (schematic designator C6)
C6BN "100nF" CAPC0603X33N#1 64.025,43.275 r180 top (schematic designator C6)
C6BO "100nF" CAPC0603X33N#1 30.025,38.225 r180 bottom (schematic designator C6)
C6BP "100nF" CAPC0603X33N#1 47.025,38.225 r180 bottom (schematic designator C6)
C6BQ "100nF" CAPC0603X33N#1 64.025,38.225 r180 bottom (schematic designator C6)
C6BR "100nF" CAPC0603X33N#1 30.025,39.725 r180 top (schematic designator C6)
C6BS "100nF" CAPC0603X33N#1 47.025,39.725 r180 top (schematic designator C6)
C6BT "100nF" CAPC0603X33N#1 64.025,39.725 r180 top (schematic designator C6)
C6BU "100nF" CAPC0603X33N#1 30.025,34.675 r180 bottom (schematic designator C6)
C6BV "100nF" CAPC0603X33N#1 47.025,34.675 r180 bottom (schematic designator C6)
C6BW "100nF" CAPC0603X33N#1 64.025,34.675 r180 bottom (schematic designator C6)
C6BX "100nF" CAPC0603X33N#1 30.025,36.175 r180 top (schematic designator C6)
C6BY "100nF" CAPC0603X33N#1 47.025,36.175 r180 top (schematic designator C6)
C6BZ "100nF" CAPC0603X33N#1 64.025,36.175 r180 top (schematic designator C6)
C6C "100nF" CAPC0603X33N#1 64.025,77.275 r180 bottom (schematic designator C6)
C6CA "100nF" CAPC0603X33N#1 30.025,31.125 r180 bottom (schematic designator C6)
C6CB "100nF" CAPC0603X33N#1 47.025,31.125 r180 bottom (schematic designator C6)
C6CC "100nF" CAPC0603X33N#1 64.025,31.125 r180 bottom (schematic designator C6)
C6CD "100nF" CAPC0603X33N#1 30.025,32.625 r180 top (schematic designator C6)
C6CE "100nF" CAPC0603X33N#1 47.025,32.625 r180 top (schematic designator C6)
C6CF "100nF" CAPC0603X33N#1 64.025,32.625 r180 top (schematic designator C6)
C6CG "100nF" CAPC0603X33N#1 30.025,27.575 r180 bottom (schematic designator C6)
C6CH "100nF" CAPC0603X33N#1 47.025,27.575 r180 bottom (schematic designator C6)
C6CI "100nF" CAPC0603X33N#1 64.025,27.575 r180 bottom (schematic designator C6)
C6CJ "100nF" CAPC0603X33N#1 30.025,29.075 r180 top (schematic designator C6)
C6CK "100nF" CAPC0603X33N#1 47.025,29.075 r180 top (schematic designator C6)
C6CL "100nF" CAPC0603X33N#1 64.025,29.075 r180 top (schematic designator C6)
C6CM "100nF" CAPC0603X33N#1 30.025,24.025 r180 bottom (schematic designator C6)
C6CN "100nF" CAPC0603X33N#1 47.025,24.025 r180 bottom (schematic designator C6)
C6CO "100nF" CAPC0603X33N#1 64.025,24.025 r180 bottom (schematic designator C6)
C6CP "100nF" CAPC0603X33N#1 30.025,25.525 r180 top (schematic designator C6)
C6CQ "100nF" CAPC0603X33N#1 47.025,25.525 r180 top (schematic designator C6)
C6CR "100nF" CAPC0603X33N#1 64.025,25.525 r180 top (schematic designator C6)
C6CS "100nF" CAPC0603X33N#1 30.025,20.475 r180 bottom (schematic designator C6)
C6CT "100nF" CAPC0603X33N#1 47.025,20.475 r180 bottom (schematic designator C6)
C6CU "100nF" CAPC0603X33N#1 64.025,20.475 r180 bottom (schematic designator C6)
C6CV "100nF" CAPC0603X33N#1 30.025,21.975 r180 top (schematic designator C6)
C6CW "100nF" CAPC0603X33N#1 47.025,21.975 r180 top (schematic designator C6)
C6CX "100nF" CAPC0603X33N#1 64.025,21.975 r180 top (schematic designator C6)
C6CY "100nF" CAPC0603X33N#1 30.025,16.925 r180 bottom (schematic designator C6)
C6CZ "100nF" CAPC0603X33N#1 47.025,16.925 r180 bottom (schematic designator C6)
C6D "100nF" CAPC0603X33N#1 30.025,78.775 r180 top (schematic designator C6)
C6DA "100nF" CAPC0603X33N#1 64.025,16.925 r180 bottom (schematic designator C6)
C6DB "100nF" CAPC0603X33N#1 30.025,18.425 r180 top (schematic designator C6)
C6DC "100nF" CAPC0603X33N#1 47.025,18.425 r180 top (schematic designator C6)
C6DD "100nF" CAPC0603X33N#1 64.025,18.425 r180 top (schematic designator C6)
C6DE "100nF" CAPC0603X33N#1 30.025,13.375 r180 bottom (schematic designator C6)
C6DF "100nF" CAPC0603X33N#1 47.025,13.375 r180 bottom (schematic designator C6)
C6DG "100nF" CAPC0603X33N#1 64.025,13.375 r180 bottom (schematic designator C6)
C6DH "100nF" CAPC0603X33N#1 30.025,14.875 r180 top (schematic designator C6)